# Allegro board FEE5_10_30.brd (continued)
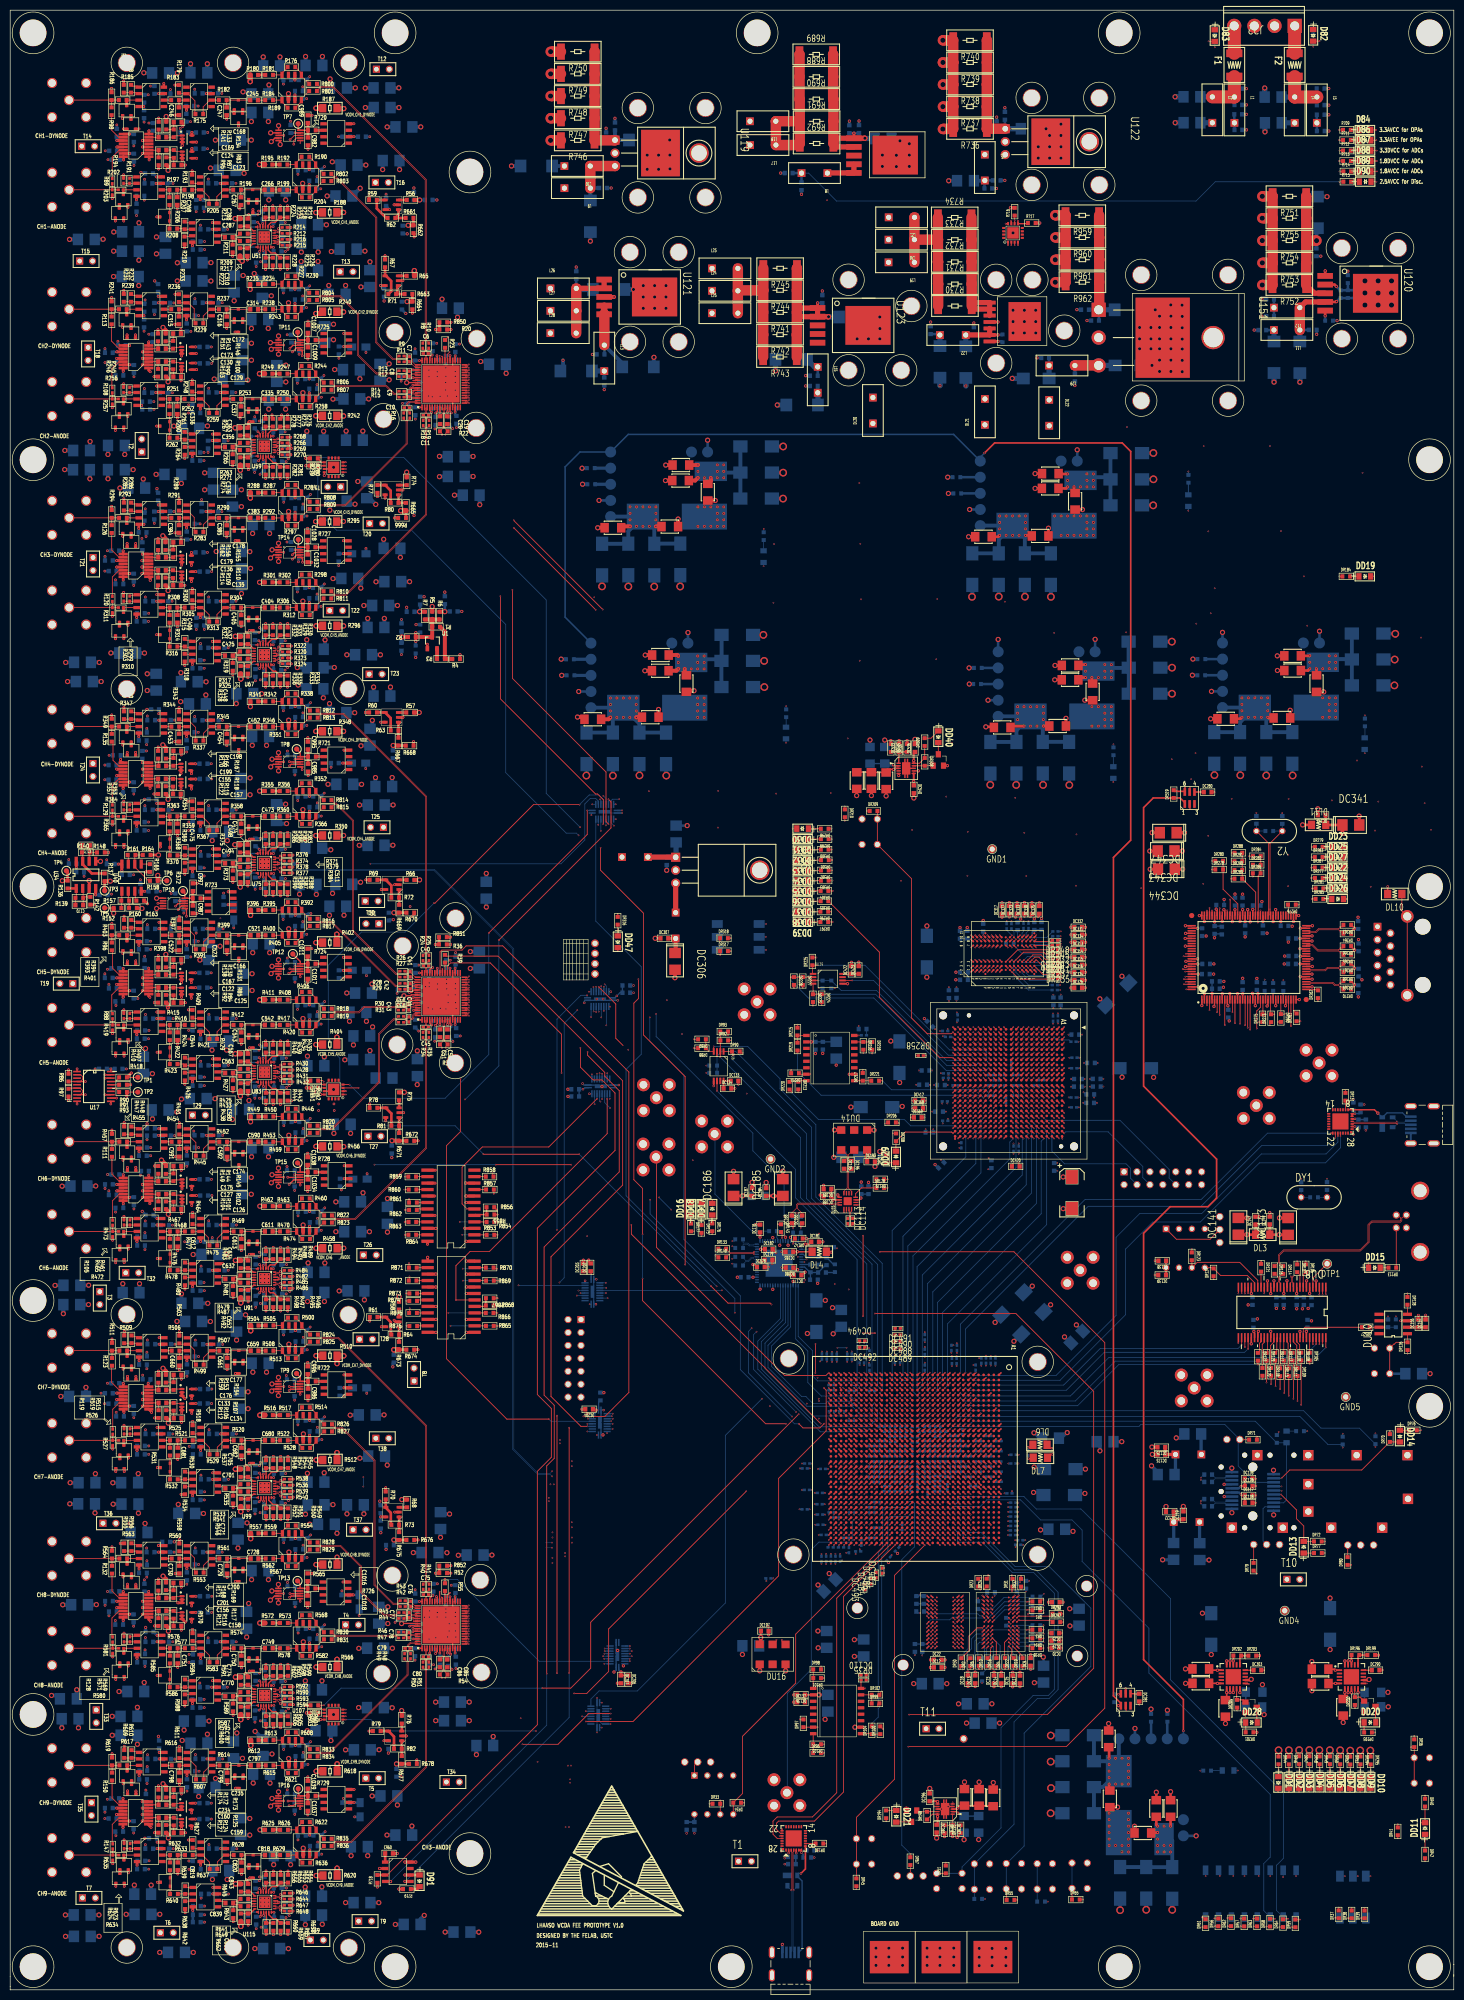
[diagram p0: board, top side]
## Routing (per net, layer and track width the routed paths; a pad name or vN(x,y) marks a point on that pad's centre or on a via; arc(x,y) is an arc through that point) (continued)
LED2_S6_FPGA: length 54.7
  TOP w0.152: DU37.AA4 v1(186.2,186.04) ; DR299.1 v1(161.38,225.96)
  S4 w0.152: v1(186.2,186.04) 185.74,185.59 181.71,185.59 175.67,191.63 175.67,211.68 v1(161.38,225.96)
LED3_A7_FPGA: length 113.5
  TOP w0.152: DU4.T9 v1(179.65,113.19) ; DR47.1 v4(253.21,47.06)
  S2 w0.152: v1(179.65,113.19) 179.65,113.18 180.19,112.65 180.19,104.12 180.34,103.97 198.49,103.97 232.68,69.78 232.68,59.93 242.79,49.82 250.44,49.82 v4(253.21,47.06)
LED3_S6_FPGA: length 51.5
  TOP w0.152: DU37.AB5 v1(185.2,185.04) ; DR300.1 v1(161.38,223.91)
  S5 w0.152: v1(161.38,223.91) 174.97,210.32 174.97,192.71 182.64,185.04 v1(185.2,185.04)
LED4_A7_FPGA: length 117.4
  TOP w0.152: v4(255.2,47.08) 255.21,47.07 DR48.1 255.21,45.86 255.21,46.44 ; DU4.T7 v1(179.65,115.19)
  S3 w0.152: v1(179.65,115.19) 180.2,114.64 180.2,104.19 180.39,104 198.46,104 233.55,68.9 233.55,60.2 244.24,49.51 252.78,49.51 v4(255.2,47.08)
LED4_S6_FPGA: length 52.5
  TOP w0.152: DR301.1 v1(161.45,221.83) ; DU37.Y5 v1(187.2,185.04)
  S5 w0.152: v1(161.45,221.83) 173.41,209.88 173.41,193.04 181.88,184.56 186.72,184.56 v1(187.2,185.04)
LED5_A7_FPGA: length 117
  TOP w0.152: v4(257.17,47.07) 257.21,47.03 DR49.1 ; DU4.R10 v1(180.65,112.19)
  S2 w0.152: v4(257.17,47.07) 252.29,51.95 242.28,51.95 234.06,60.18 234.06,69.95 203.2,100.81 203.2,103.35 201.6,104.95 198.94,104.95 198.53,104.54 181.34,104.54 181.19,104.69 181.19,111.65 v1(180.65,112.19)
LED5_S6_FPGA: length 53.7
  TOP w0.152: DR302.1 v1(161.47,219.82) ; DU37.U6 v1(190.2,184.04)
  S4 w0.152: v1(190.2,184.04) 189.73,184.51 181.7,184.51 173.71,192.49 173.71,207.58 v1(161.47,219.82)
LED6_A7_FPGA: length 120.9
  TOP w0.152: DU4.R7 v1(180.65,115.19) ; DR50.1 v4(259.24,47.06)
  S3 w0.152: v1(180.65,115.19) 180.65,115.15 181.14,114.66 181.14,104.75 181.31,104.58 198.85,104.58 199.21,104.94 200.86,104.94 234.39,71.41 234.39,60.9 243.77,51.51 254.78,51.51 v4(259.24,47.06)
LED6_S6_FPGA: length 50.1
  TOP w0.152: DU37.Y6 v1(187.2,184.04) ; DR303.1 v1(161.53,217.82)
  S4 w0.152: v1(187.2,184.04) 186.66,183.5 181.09,183.5 171.25,193.34 171.25,208.1 v1(161.53,217.82)
LED7_A7_FPGA: length 118.5
  TOP w0.152: v4(261.26,47.03) 261.26,45.83 DR52.1 ; DU4.P8 v1(181.65,114.19)
  S2 w0.152: v4(261.26,47.03) 243.85,64.44 243.85,66.8 229.26,81.39 224.51,81.39 207.1,98.79 207.1,104.27 205.77,105.6 182.28,105.6 182.13,105.75 182.13,113.71 v1(181.65,114.19)
LED7_S6_FPGA: length 51.8
  TOP w0.152: DU37.T7 v1(191.2,183.04) ; DR304.1 v1(161.58,215.79)
  S5 w0.152: v1(161.58,215.79) 171.72,205.65 171.72,193.45 181.65,183.52 190.71,183.52 v1(191.2,183.04)
LED8_A7_FPGA: length 118
  TOP w0.152: v4(263.24,46.97) 263.25,46.96 263.25,45.78 DR53.1 ; DU4.P10 v1(181.65,112.19)
  S3 w0.152: v4(263.24,46.97) 260.63,49.58 258.8,49.58 252.57,55.81 252.57,62.82 209.78,105.61 182.34,105.61 182.19,105.76 182.19,111.65 181.65,112.18 v1(181.65,112.19)
LED8_S6_FPGA: length 43
  TOP w0.152: DR305.1 170.74,203.76 170.74,194.93 182.63,183.04 v1(185.2,183.04) DU37.AB7
LED9_A7_FPGA: length 120.3
  TOP w0.152: DU4.N7 v1(182.65,115.19) ; DR294.1 265.2,45.84 v4(265.2,47)
  S3 w0.152: v4(265.2,47) 265.2,51.22 208.87,107.56 199.28,107.56 198.42,106.69 183.38,106.69 183.22,106.85 183.22,114.62 v1(182.65,115.19)
LED9_S6_FPGA: length 48.7
  TOP w0.152: DR296.1 v1(161.31,211.73) ; DU37.T8 v1(191.2,182.04)
  S5 w0.152: v1(161.31,211.73) 169.94,203.09 169.94,194.09 181.56,182.48 190.76,182.48 v1(191.2,182.04)
LED10_A7_FPGA: length 121.9
  TOP w0.152: v4(267.18,46.98) 267.18,45.85 DR295.1 ; DU4.N8 v1(182.65,114.19)
  S2 w0.152: v1(182.65,114.19) 183.25,113.58 183.25,106.84 183.41,106.69 198.01,106.69 198.89,107.57 210.11,107.57 231.12,86.56 231.12,81.44 263.9,48.66 265.5,48.66 v4(267.18,46.98)
LED10_S6_FPGA: length 44.2
  TOP w0.152: DR297.1 v1(161.57,209.69) ; DU37.Y8 v1(187.2,182.04)
  S5 w0.152: v1(187.2,182.04) 186.67,181.52 180.87,181.52 168.51,193.88 168.51,202.75 v1(161.57,209.69)
LF: length 3.4
  BOTTOM w0.254: DR173.2 158.78,142.42 DC172.1 157.19,142.42 DU13.9
LOW_THRESHOLD_CH1: length 20.8
  TOP w0.254: v5(51.29,362.92) 52.01,363.64 U128.4
  TOP w1.016: R213.2 v5(44.18,347.81)
  S5 w1.016: v5(51.29,362.92) 51.29,358.73 44.18,351.62 v5(44.18,347.81)
LOW_THRESHOLD_CH2: length 21
  TOP w0.254: U136.4 51.6,322.46 v5(51.29,322.15)
  TOP w1.016: R267.2 v5(44.15,306.73)
  S5 w1.016: v5(51.29,322.15) 50.72,321.57 50.72,316.8 44.15,310.24 v5(44.15,306.73)
LOW_THRESHOLD_CH3: length 21.1
  TOP w0.254: v5(51.15,281.16) 51.76,281.77 52.72,281.77 U142.4
  TOP w1.016: v5(44.23,265.77) 44.24,265.76 R321.2
  S5 w1.016: v5(44.23,265.77) 44.23,269.28 51.15,276.2 v5(51.15,281.16)
LOW_THRESHOLD_CH4: length 21
  TOP w0.254: v5(51.18,240.15) 51.68,240.64 U129.4
  TOP w1.016: R375.2 v5(44.14,224.86)
  S5 w1.016: v5(44.14,224.86) 44.14,228.71 51.18,235.75 v5(51.18,240.15)
LOW_THRESHOLD_CH5: length 21.3
  TOP w0.254: v5(51.25,199.56) 51.67,199.98 U137.4
  TOP w1.016: R429.2 v5(44.22,183.81)
  S5 w1.016: v5(44.22,183.81) 44.22,186.78 51.25,193.82 v5(51.25,199.56)
LOW_THRESHOLD_CH6: length 20.9
  TOP w0.254: U143.4 51.88,159.06 51.3,158.48 v5(51.29,158.48)
  TOP w1.016: R483.2 44.25,143.23 v5(44.25,143.23)
  S5 w1.016: v5(51.29,158.48) 51.29,153.7 44.25,146.65 v5(44.25,143.23)
LOW_THRESHOLD_CH7: length 20.8
  TOP w0.254: U130.4 51.78,117.97 51.39,117.58 v5(51.39,117.58)
  TOP w1.016: v5(44.23,102.25) 44.24,102.24 R537.2
  S5 w1.016: v5(44.23,102.25) 44.23,105.92 51.39,113.08 v5(51.39,117.58)
LOW_THRESHOLD_CH8: length 20.9
  TOP w0.254: v5(51.12,76.53) 51.91,77.32 U138.4
  TOP w1.016: v5(44.25,61.41) 44.25,61.41 R591.2
  S5 w1.016: v5(51.12,76.53) 51.12,71.2 44.25,64.33 v5(44.25,61.41)
LOW_THRESHOLD_CH9: length 20.9
  TOP w0.254: U144.4 51.69,36.59 v5(51.16,36.07)
  TOP w1.016: v5(44.27,20.81) 44.28,20.81 R645.2
  S5 w1.016: v5(51.16,36.07) 51.16,30.87 44.27,23.98 v5(44.27,20.81)
LVDS_ADC1_CLK: length 203.1
  TOP w0.102: C19.2 85.84,307.46 85.29,306.91 85.29,306.71 85.94,306.05 R22.1 85.89,306.03 85.49,305.63 v1(85.49,305.35)
  S3 w0.102: v1(141.86,147.01) 141.86,146.91 141.57,146.61 113.03,146.61 91.5,168.14 91.5,288.51 88.89,291.12 88.89,298.79 85.6,302.08 85.27,302.41 85.27,305.02 85.27,305.11 85.27,305.13 v1(85.49,305.35)
  BOTTOM w0.102: v1(141.86,147.01) 141.9,147.01 141.9,147.01 142.29,147.01 142.43,147.15 DR164.1
LVDS_ADC2_CLK: length 83.3
  TOP w0.102: v1(138.55,145.16) 138.98,145.16 139.12,145.3 DR133.1 ; v1(85.56,184.95) 85.56,185.23 85.94,185.61 R38.1 85.94,185.65 85.39,186.2 85.39,186.63 85.83,187.07 C50.2
  S3 w0.102: v1(138.55,145.16) 138.19,144.8 108.97,144.8 85.31,168.46 85.31,184.7 v1(85.56,184.95)
LVDS_ADC3_CLK: length 111
  TOP w0.102: v1(85.48,61.23) 85.46,61.25 85.46,61.39 85.91,61.85 R54.1 85.4,62.43 85.4,62.89 C85.2
  S1 w0.102: v1(85.48,61.23) 85.29,61.05 85.29,60.86 85.47,60.67 85.97,60.67 120.76,95.47 120.76,122.85 141.1,143.18 141.11,143.18 141.11,143.19 141.45,143.19 v1(141.83,143.57)
  BOTTOM w0.102: DR145.1 142.43,143.83 142.17,143.57 v1(141.83,143.57)
MGTAVCC: length 18.1
  TOP w0.254: DU4.F20 v1(189.65,101.32) ; DU4.F16 v1(189.65,106.19) ; DU4.F18 v1(189.65,103.32) ; DU4.H15 v1(187.65,107.19) ; DU4.F14 v1(189.65,108.19) ; DU4.H19 v1(187.65,102.32) ; DU4.H17 v1(187.65,105.19) ; DU4.H21 v1(187.65,100.32)
  TOP w0.305: v6(262.17,64.58) 262.17,64.58 DU33.20 ; DR196.1 263.47,65.71 v6(263.47,64.59) DU33.18 ; DU33.19 v6(262.82,64.6) ; DC289.1 260.11,62.95 v6(260.3,62.76) DU33.1
  BOTTOM w0.254: DC68.1 189.65,105.82 v1(189.65,106.19) ; DC76.1 189.65,107.82 v1(189.65,108.19) ; v1(187.65,107.19) 187.65,106.87 DC77.1 ; DC75.1 189.65,101.68 v1(189.65,101.32) ; v1(187.65,102.32) 187.67,102.34 DC63.1 ; v1(187.65,105.19) 187.65,104.85 DC62.1 ; DC61.1 189.65,103.71 v1(189.65,103.32) ; DC78.1 187.67,100.34 v1(187.65,100.32)
  BOTTOM w0.508: DC60.1 202.46,97.68 v5(201.03,97.68)
  BOTTOM w0.635: DC288.1 259.28,66.81 v5(259.28,66.81)
MGTAVTT: length 22.2
  TOP w0.254: DU4.B18 v1(193.65,103.32) ; DU4.B20 v1(193.65,101.32) ; DU4.D19 v1(191.65,102.32) ; DU4.B14 v1(193.65,108.19) ; DU4.D17 v1(191.65,105.19) ; DU4.B16 v1(193.65,106.19) ; DU4.D13 v1(191.65,109.19) ; DU4.D15 v1(191.65,107.19) ; DU4.D21 v1(191.65,100.32) ; DU4.B22 v1(193.65,100.19) ; DU4.F22 v1(189.65,99.32)
  TOP w0.305: v6(239.62,64.58) 239.62,64.58 DU35.19 ; DU35.20 238.97,64.58 v6(238.97,64.58) ; DU35.1 237.15,62.77 v6(237.15,62.76) 235.75,62.76 DC302.1 ; DR202.1 240.28,64.6 v6(240.27,64.59) 240.27,64.59 DU35.18
  BOTTOM w0.254: v1(191.65,105.19) 191.65,104.78 DC99.1 ; v1(193.65,108.19) 193.65,107.77 DC98.1 ; v1(191.65,102.32) 191.65,102.68 DC94.1 ; v1(193.65,101.32) 193.65,101.71 DC95.1 ; v1(193.65,100.19) 193.65,99.82 DC96.1 ; v1(189.65,99.32) 189.68,99.3 DR68.1 ; v1(191.65,109.19) 191.65,108.81 DC101.1 ; DC100.1 193.65,105.78 v1(193.65,106.19) ; DC103.1 v1(196.13,105.06) ; v1(191.65,100.32) 191.65,100.71 DC92.1 ; DC93.1 196.09,103.35 v1(196.09,103.35) ; v1(193.65,103.32) 193.65,103.68 DC97.1 ; DC102.1 191.65,106.78 v1(191.65,107.19)
  BOTTOM w0.635: v5(201.15,102.65) 202.67,102.65 DC91.1 ; v5(235.94,65.83) 235.93,65.84 DC301.1
NC1: length 0.6
  TOP w0.152: DU4.AN1 v1(161.79,121.19)
NC1_2426805: length 0.6
  TOP w0.152: DU4.H24 v1(187.65,97.32)
NC2: length 0.6
  TOP w0.152: DU4.L34 v1(184.65,87.32)
NC30: length 0.6
  TOP w0.152: DU4.T32 v1(179.65,89.32)
NC43: length 0.6
  TOP w0.152: DU4.T30 v1(179.65,91.32)
OUT0+: length 2
  BOTTOM w0.152: DR132.2 150.61,147.66 150.77,147.5 150.77,147.06 DU13.56
OUT3+: length 3.6
  BOTTOM w0.102: DR164.2 143.96,146.73 144.06,146.63 144.94,146.63 145.29,146.28 146.03,146.28 146.17,146.42 DU13.48
OUT3-: length 3.6
  BOTTOM w0.102: DU13.47 146.17,145.92 146.03,146.06 145.2,146.06 144.85,146.41 144.06,146.41 143.96,146.31 DR170.2
OUT4+: length 6.6
  TOP w0.102: 146.02,144.79 v1(146.15,144.92) 146.01,144.78 141.37,144.78 DR133.2
  BOTTOM w0.102: v1(146.15,144.92) 146.16,144.92 DU13.45
OUT4-: length 6.4
  TOP w0.102: DR140.2 141.39,144.57 146.01,144.57 v1(146.16,144.42)
  BOTTOM w0.102: DU13.44 v1(146.16,144.42)
OUT5+: length 3.5
  BOTTOM w0.102: DR145.2 143.96,143.73 144.5,143.19 144.93,143.19 145.52,143.78 146.03,143.78 146.17,143.92 DU13.43
OUT5-: length 3.5
  BOTTOM w0.102: DU13.42 146.17,143.42 146.03,143.56 145.61,143.56 145.02,142.97 144.46,142.97 143.96,142.47 DR151.2
PB_C: length 98.5
  TOP w0.152: DSW9.1 208.58,17.73 DR65.1 ; DU4.L29 v1(184.65,92.32)
  S4 w0.152: DSW9.2 202.69,30.8 202.69,50.7 211.4,59.41 211.4,76.03 204.63,82.8 200.09,82.8 191.11,91.78 185.2,91.78 v1(184.65,92.32)
  BOTTOM w0.152: DSW9.2 DSW9.1
PB_E: length 91.4
  TOP w0.152: DU4.G31 v1(188.65,90.32)
  S4 w0.152: v1(188.65,90.32) 188.68,90.32 189.24,90.88 190.4,90.88 199.13,82.14 204.33,82.14 210.82,75.65 210.82,60.5 201.75,51.43 DSW5.2
  BOTTOM w0.152: DSW5.2 DSW5.1 201.75,17.32 DR54.1
PB_N: length 95.9
  TOP w0.152: DSW6.1 195.74,19.74 DR55.1 ; DU4.H31 v1(187.65,90.32)
  BOTTOM w0.152: v1(187.65,90.32) 187.66,90.32 188.18,89.8 190.73,89.8 197.42,83.1 204.14,83.1 212.29,74.95 212.29,63.52 199.18,50.41 199.18,28.25 195.74,24.81 DSW6.2 DSW6.1
PB_S: length 93.7
  TOP w0.152: DU4.J31 v1(186.65,90.32)
  BOTTOM w0.152: DR60.1 189.4,17.86 DSW8.1 DSW8.2 197.2,32.53 197.2,52.62 201.79,57.21 204.09,57.21 205.85,58.97 205.85,78.07 201.45,82.47 197.25,82.47 190.92,88.8 187.4,88.8 187.19,89.01 187.19,89.79 v1(186.65,90.32)
PB_W: length 97.3
  TOP w0.152: DSW4.1 183.79,22.87 DR51.1 ; DU4.K31 v1(185.65,90.32)
  BOTTOM w0.152: DSW4.1 DSW4.2 186.99,24.14 194.65,31.8 194.65,51.49 200.94,57.79 203.92,57.79 205.11,58.98 205.11,77.87 201.02,81.96 196.85,81.96 190.91,87.89 186.3,87.89 186.13,88.06 186.13,89.8 185.65,90.28 v1(185.65,90.32)
PDWN_ADC1: length 173
  TOP w0.152: U2.41 84.39,319.95 v9(84.39,320.91)
  S1 w0.152: v9(84.39,320.91) 84.39,320.92 85.43,321.96 91.54,321.96 106.5,307.01 106.5,195.18 120.13,181.55 120.13,175.76 118.79,174.43 v1(115.95,174.43)
  BOTTOM w0.152: DU17.16 115.78,174.6 v1(115.95,174.43)
PDWN_ADC1_BUF: length 117.2
  TOP w0.152: DU4.AA24 v1(173.79,97.32)
  S2 w0.152: v1(115.28,179.9) 115.71,179.47 115.71,177.6 115.71,177.6 115.71,177.14 115.71,177.14 115.71,174.76 115.42,174.48 115.42,147.2 158.68,103.94 173.14,103.94 173.29,103.79 173.29,97.82 v1(173.79,97.32)
  BOTTOM w0.152: DU17.4 v1(115.28,179.9)
PDWN_ADC2: length 127.6
  TOP w0.152: v1(112.6,112.6) 116.84,112.6 121.53,117.29 121.53,180.22 96.75,205 89.58,205 88.75,204.16 84.79,204.16 84.44,203.82 84.44,199.72 U3.41
  BOTTOM w0.152: DU20.18 114.33,112.6 v1(112.6,112.6)
PDWN_ADC2_BUF: length 75.8
  TOP w0.152: DU4.W29 v1(175.79,92.32)
  S5 w0.152: v1(175.79,92.32) 175.34,92.77 175.34,106.47 175.19,106.63 152.95,106.63 149.18,110.4 121.1,110.4 v1(118.36,113.14)
  BOTTOM w0.152: DU20.2 v1(118.36,113.14)
PDWN_ADC3: length 43.4
  TOP w0.254: U4.41 84.35,76.31 84.35,78.2 v9(84.37,78.21)
  S3 w0.152: v1(116.77,66.51) 90.77,66.51 88.75,68.53 88.75,73.86 84.4,78.21 v9(84.37,78.21)
  BOTTOM w0.152: v1(116.77,66.51) 117.84,66.51 DU24.7
PDWN_ADC3_BUF: length 65.7
  TOP w0.152: DU4.Y32 v1(174.79,89.32)
  S5 w0.152: v1(121.7,67.01) 121.93,67.01 129.14,74.22 159.34,74.22 172.31,87.19 172.31,89.57 172.56,89.82 174.29,89.82 v1(174.79,89.32)
  BOTTOM w0.152: DU24.13 v1(121.7,67.01)
PHY_AVDD0: length 17.3
  TOP w0.254: DU41.104 v6(233.24,208.45) ; DU41.52 v6(253.46,202.95) ; v6(253.43,198.95) 253.43,198.95 DU41.44 ; DU41.64 v6(255.8,208.95) ; DU41.59 253.39,206.45 v6(253.38,206.46) ; DU41.49 253.41,201.45 v6(253.4,201.46)
  TOP w0.508: DC342.1 258.43,230.65 DL11.1 258.45,228.73 DC341.1
  TOP w0.635: v5(261.71,227.06) 261.71,227.07 DC341.1
  BOTTOM w0.254: v6(253.46,202.95) 252.7,202.95 DC356.2 ; DC357.2 234.13,208.45 v6(233.24,208.45) ; DC360.2 252.62,206.46 v6(253.38,206.46) ; v6(253.4,201.46) 252.58,201.46 DC365.2
PHY_COL: length 32
  TOP w0.152: DU37.A2 v1(207.06,188.04) ; DU41.114 v1(230.96,203.45)
  S4 w0.152: v1(207.06,188.04) 210.92,188.04 226.33,203.45 v1(230.96,203.45)
PHY_COMA: length 3
  TOP w0.152: DU41.37 252.1,192.31 DR261.2
PHY_CONFIG0: length 12
  TOP w0.152: DR280.2 DR278.2 238.26,216.12 241.16,213.22 241.16,211.01 DU41.88
PHY_CONFIG4: length 13.5
  TOP w0.152: DR288.2 242.03,221.58 DR291.2 242.03,219.88 DR290.2 242.02,218.19 DR289.2 244.67,215.52 244.67,211.03 DU41.81
PHY_CONFIG5: length 13.4
  TOP w0.152: v1(245.11,209.59) 245.1,209.6 DU41.80 245.16,211.01 245.16,218.75 DR286.2 245.66,219.25 DR282.2 DR284.2
  BOTTOM w0.152: 245.1,209.49 245.1,209.58 v1(245.11,209.59)
PHY_CRS: length 32.2
  TOP w0.152: DU37.A3 v1(207.06,187.04) ; DU41.115 v1(230.49,202.95)
  S5 w0.152: v1(230.49,202.95) 226.79,202.95 210.88,187.04 v1(207.06,187.04)
PHY_INT: length 61.4
  TOP w0.152: DU41.32 249.61,194.44 DR260.1 v1(250.35,191.59) ; DU37.D19 v1(204.06,170.18)
  S4 w0.152: v1(204.06,170.18) 204.47,169.76 231.38,169.76 250.35,188.73 v1(250.35,191.59)
PHY_LED_DUPLEX: length 33
  TOP w0.152: DR289.1 v1(239.82,218.18) ; v1(237.59,212.37) 237.6,212.37 DU41.95 237.59,210.95 ; DD22.2 262.54,218.32 v1(262.54,218.32)
  S5 w0.152: v1(262.54,218.32) 261.7,219.16 240.81,219.16 v1(239.82,218.18) 237.59,215.95 v1(237.59,212.37)
PHY_LED_LINK10: length 38.5
  TOP w0.152: DR284.1 v1(243.39,222.6) ; v1(235.1,211.92) 235.1,211.92 235.1,210.96 DU41.100 ; DD23.2 262.53,224.42 v1(262.54,224.42)
  S5 w0.152: v1(262.54,224.42) 261.74,223.62 244.4,223.62 v1(243.39,222.6) 239.84,222.6 235.1,217.87 235.1,211.93 v1(235.1,211.92)
PHY_LED_LINK100: length 35.6
  TOP w0.152: DU41.99 v1(235.6,212.43) ; DD25.2 261.87,222.4 v1(262.52,222.4)
  S5 w0.152: v1(235.6,212.43) 235.6,216.46 240.92,221.79 261.9,221.79 v1(262.52,222.4)
PHY_LED_LINK1000: length 35.3
  TOP w0.152: v1(236.09,211.94) 236.09,211.94 236.09,210.95 DU41.98 ; DD27.2 v1(262.72,220.35) ; DR290.1 240.14,219.52 v1(239.93,219.52)
  S5 w0.152: v1(236.09,211.94) 236.09,215.68 v1(239.93,219.52) 241.28,220.87 262.19,220.87 v1(262.72,220.35)
PHY_LED_RX: length 29.2
  TOP w0.152: DU41.92 239.08,210.97 v1(239.08,211.96) ; v1(262.56,214.19) 262.55,214.2 DD26.2 ; DU41.79 245.6,211.93 v1(245.61,211.95)
  S5 w0.152: v1(262.56,214.19) 261.49,215.25 248.92,215.25 v1(245.61,211.95) 244.12,213.43 240.55,213.43 v1(239.08,211.96)
PHY_LED_TX: length 29.7
  TOP w0.152: DU41.91 239.65,211.01 239.65,214.09 v1(239.63,214.11) ; DD24.2 262.55,216.27 v1(262.57,216.29)
  S5 w0.152: v1(239.63,214.11) 239.63,216.22 240.65,217.24 261.62,217.24 v1(262.57,216.29)
PHY_MDC: length 62.3
  TOP w0.152: v1(251.08,190.42) 251.1,190.43 DU41.35 ; DU37.G16 v1(201.06,173.18)
  S5 w0.152: v1(251.08,190.42) 251.08,189.58 235.22,173.72 201.6,173.72 v1(201.06,173.18)
PHY_MDIO: length 64
  TOP w0.152: DU41.33 v1(250.1,195.46) ; DU37.H14 v1(200.06,175.18)
  S5 w0.152: v1(250.1,195.46) 249.62,194.99 249.62,189.42 235.88,175.68 200.56,175.68 v1(200.06,175.18)
  BOTTOM w0.152: DR259.1 250.1,196.15 v1(250.1,195.46)
PHY_MDIP0_N: length 29
  TOP w0.102: DR269.2 261.9,198.02 261.61,197.73 261.39,197.73 261.35,197.76 v1(261.33,197.76) 260.98,197.41 260.28,197.41 259.87,197.82 255.48,197.82 255.34,197.95 DU41.42
  S2 w0.102: DU42.2 267.07,207.48 266.37,206.78 261.09,206.78 260.23,205.92 260.23,197.86 260.68,197.41 260.98,197.41 v1(261.33,197.76)
PHY_MDIP0_P: length 29.1
  TOP w0.102: DU41.41 255.32,197.45 255.47,197.6 259.78,197.6 260.19,197.19 260.98,197.19 v1(261.33,196.84) 261.35,196.84 261.57,196.84 261.9,196.51 DR270.2
  S2 w0.102: v1(261.33,196.84) 260.98,197.19 260.59,197.19 260.02,197.77 260.02,206 261,206.99 266.28,206.99 266.98,207.7 269.2,207.7 269.3,207.8 269.3,208.05 DU42.1
PHY_MDIP1_N: length 26.3
  TOP w0.102: DU41.47 255.31,200.45 255.45,200.31 258.27,200.31 258.72,200.76 260.99,200.76 v1(261.33,201.11) 261.64,201.11 261.9,201.36 DR267.2
  S5 w0.102: DU42.6 271.31,202.57 271.31,202.72 269.19,204.84 268.15,204.84 266.05,202.74 259.31,202.74 259.21,202.63 259.21,200.87 259.31,200.76 260.99,200.76 v1(261.33,201.11)
PHY_MDIP1_P: length 26.3
  TOP w0.102: DR268.2 261.9,199.94 261.63,200.21 261.34,200.21 v1(261.33,200.21) 260.99,200.55 258.81,200.55 258.36,200.09 255.43,200.09 255.29,199.95 DU41.46
  S5 w0.102: DU42.3 269.46,206.21 269.83,205.84 269.83,205.33 269.55,205.05 268.06,205.05 265.96,202.95 259.22,202.95 258.99,202.72 258.99,200.78 259.22,200.55 260.99,200.55 v1(261.33,200.21)
PHY_MDIP2_N: length 20.5
  TOP w0.102: DR266.2 261.9,204.65 261.8,204.55 261.33,204.55 v1(261.33,204.55) 260.99,204.21 260.94,204.21 260.91,204.21 256.92,204.21 255.82,205.31 254.7,205.31 254.6,205.41 DU41.57
  S4 w0.102: DU42.5 269.27,204.34 269.57,204.34 269.91,204 269.91,203.23 269.19,202.51 264.25,202.51 262.55,204.21 261.77,204.21 261.67,204.21 v1(261.33,204.55)
PHY_MDIP2_P: length 20.6
  TOP w0.102: DU41.56 254.6,204.99 254.7,205.09 255.73,205.09 256.83,203.99 260.89,203.99 260.99,203.99 v1(261.33,203.65) 261.33,203.65 261.8,203.65 261.9,203.55 DR265.2
  S4 w0.102: DU42.4 271.05,204.94 270.13,204.02 270.13,203.14 269.28,202.3 264.16,202.3 262.46,204 261.77,204 261.67,203.99 v1(261.33,203.65)
PHY_MDIP3_N: length 24
  TOP w0.102: DR263.2 261.9,208.81 261.8,208.71 v1(261.33,208.71) 260.98,208.36 256.98,208.36 256.42,207.81 255.2,207.81 255.06,207.95 DU41.62
  S1 w0.102: v1(261.33,208.71) 261.68,208.36 262.41,208.36 263.52,207.25 266.08,207.25 266.79,206.54 266.79,203.07 267.37,202.48 269.29,202.48 270.13,201.64 270.13,200.87 DU42.8
PHY_MDIP3_P: length 23.9
  TOP w0.102: DU41.61 255.05,207.45 255.19,207.59 256.51,207.59 257.07,208.15 260.98,208.15 v1(261.33,207.79) 261.79,207.79 261.9,207.69 DR264.2
  S1 w0.102: v1(261.33,207.79) 261.68,208.14 262.32,208.14 263.43,207.03 265.99,207.03 266.57,206.45 266.57,202.98 267.28,202.27 269.2,202.27 269.92,201.55 269.92,200.92 269.54,200.54 269.19,200.54 DU42.7
PHY_RESET: length 58.7
  TOP w0.152: v1(251.6,189.25) 251.6,189.26 DU41.36 ; DU37.A20 v1(207.06,169.18)
  S2 w0.152: v1(251.6,189.25) 231.53,169.18 v1(207.06,169.18)
PHY_RSET: length 2.4
  TOP w0.152: DR262.2 256.76,196.38 254.66,196.38 DU41.39
PHY_RXCLK: length 44.2
  TOP w0.152: v1(237.1,191.95) 237.1,191.95 DU41.7 ; DU37.G9 v1(201.06,181.04)
  S5 w0.152: 237.1,191.91 v1(237.1,191.95) 225.59,180.44 201.65,180.44 v1(201.06,181.04)
PHY_RXCTL_RXDV: length 41.4
  TOP w0.152: DU37.F9 v1(202.06,181.04) ; DU41.4 v1(235.6,192.37)
  S4 w0.152: v1(235.6,192.37) 226.79,192.37 214.89,180.47 202.63,180.47 v1(202.06,181.04)
PHY_RXD0: length 40.6
  TOP w0.152: DU41.3 v1(235.1,193.31) ; DU37.F8 v1(202.06,182.04)
  S5 w0.152: v1(235.1,193.31) 234.28,194.13 227.16,194.13 214.53,181.5 202.6,181.5 v1(202.06,182.04)
PHY_RXD1: length 36.6
  TOP w0.152: DU37.F7 v1(202.06,183.04) ; DU41.128 v1(231.04,196.45)
  S4 w0.152: v1(231.04,196.45) 228.17,196.45 214.26,182.53 202.57,182.53 v1(202.06,183.04)
PHY_RXD2: length 35.6
  TOP w0.152: DU41.126 v1(230.57,197.45) ; DU37.E6 v1(203.06,184.04)
  S5 w0.152: v1(230.57,197.45) 227.84,197.45 213.97,183.58 203.52,183.58 v1(203.06,184.04)
PHY_RXD3: length 33.6
  TOP w0.152: DU41.125 v1(230.92,197.95) ; DU37.C5 v1(205.06,185.04)
  S4 w0.152: v1(205.06,185.04) 205.78,184.31 213.56,184.31 227.2,197.95 v1(230.92,197.95)
PHY_RXD4: length 31.2
  TOP w0.152: DU41.124 v1(230.56,198.45) ; DU37.A5 v1(207.06,185.04)
  S5 w0.152: v1(230.56,198.45) 226.66,198.45 213.25,185.04 v1(207.06,185.04)
PHY_RXD5: length 33.4
  TOP w0.152: DU41.123 v1(230.86,198.95) ; DU37.C4 v1(205.06,186.04)
  S4 w0.152: v1(205.06,186.04) 205.57,185.53 212.83,185.53 226.25,198.95 v1(230.86,198.95)
PHY_RXD6: length 31.7
  TOP w0.152: DU37.A4 v1(207.06,186.04) ; DU41.121 v1(230.83,199.95)
  S5 w0.152: v1(230.83,199.95) 226.08,199.95 211.86,185.73 207.36,185.73 v1(207.06,186.04)
PHY_RXD7: length 32.6
  TOP w0.152: v1(230.33,200.45) 230.38,200.4 232.05,200.4 DU41.120 ; DU37.B3 v1(206.06,187.04)
  S4 w0.152: v1(206.06,187.04) 206.53,186.57 211.53,186.57 225.41,200.45 v1(230.33,200.45)
PHY_RXER: length 44.3
  TOP w0.152: DU37.F10 v1(202.06,180.04) ; DU41.8 237.6,191.45 v1(237.59,191.44)
  S4 w0.152: v1(202.06,180.04) 202.58,179.52 215.61,179.52 227.53,191.44 v1(237.59,191.44)
PHY_TXC_GTXCLK: length 51.4
  TOP w0.152: DU37.H13 v1(200.06,176.18) ; DU41.14 240.6,189.81 v1(240.58,189.8)
  S2 w0.152: v1(200.06,176.18) 200.55,176.66 227.44,176.66 v1(240.58,189.8)
PHY_TXCLK: length 49.2
  TOP w0.152: DU37.H12 v1(200.06,177.18) ; DU41.10 238.6,189.51 238.59,189.51 v1(238.59,189.43)
  S5 w0.152: v1(238.59,189.43) 227.17,178.01 200.89,178.01 v1(200.06,177.18)
PHY_TXCTL_TXEN: length 51.5
  TOP w0.152: DU37.G13 v1(201.06,176.18) ; DU41.16 v1(241.6,189.72)
  S5 w0.152: v1(241.6,189.72) 228.63,176.75 201.64,176.75 v1(201.06,176.18)
PHY_TXD0: length 52.1
  TOP w0.152: DU37.F14 v1(202.06,175.18) ; DU41.18 242.6,189.41 v1(242.6,189.41)
  S4 w0.152: v1(202.06,175.18) 202.61,175.72 228.92,175.72 v1(242.6,189.41)
PHY_TXD1: length 53.3
  TOP w0.152: v1(243.09,188.93) 243.09,194.45 DU41.19 ; DU37.F15 v1(202.06,174.18)
  S2 w0.152: v1(243.09,188.93) 228.87,174.7 202.58,174.7 v1(202.06,174.18)
PHY_TXD2: length 53.4
  TOP w0.152: DU41.20 243.57,194.43 v1(243.57,188.55) ; DU37.E16 v1(203.06,173.18)
  S4 w0.152: v1(203.06,173.18) 203.61,173.73 228.76,173.73 v1(243.57,188.55)
PHY_TXD3: length 54.3
  TOP w0.152: DU37.D17 v1(204.06,172.18) ; v1(244.87,188.76) 244.87,188.76 244.88,188.77 244.88,192.22 245.6,192.93 DU41.24
  S2 w0.152: v1(204.06,172.18) 204.67,172.79 228.91,172.79 v1(244.87,188.76)
  S4 w0.152: v1(244.87,188.76) 244.87,188.76
PHY_TXD4: length 55.9
  TOP w0.152: v1(246.63,191.55) DR275.2 246.1,191.64 DU41.25 ; DU37.C17 v1(205.06,172.18)
  S2 w0.152: v1(205.06,172.18) 205.57,171.66 229.69,171.66 246.63,188.61 v1(246.63,191.55)
PHY_TXD5: length 55.4
  TOP w0.152: DU41.26 v1(246.6,195.41) ; DU37.A17 v1(207.06,172.18)
  S4 w0.152: v1(246.6,195.41) 245.97,194.79 245.97,188.2 229.95,172.18 v1(207.06,172.18)
  BOTTOM w0.152: DR274.2 246.6,196 v1(246.6,195.41)
PHY_TXD6: length 56.3
  TOP w0.152: DU37.A19 v1(207.06,170.18) ; DU41.28 247.6,191.64 DR273.2 v1(248.33,191.55)
  S2 w0.152: v1(207.06,170.18) 230.32,170.18 248.33,188.19 v1(248.33,191.55)
PHY_TXD7: length 61.3
  TOP w0.152: DU37.C19 v1(205.06,170.18) ; DU41.29 v1(248.1,195.37)
  S4 w0.152: v1(248.1,195.37) 249.46,194 249.46,189.33 230.9,170.77 205.65,170.77 v1(205.06,170.18)
  BOTTOM w0.152: v1(248.1,195.37) DR272.2
PHY_TXER: length 48.1
  TOP w0.152: DU37.G11 v1(201.06,179.04) ; v1(240.1,191.99) 240.1,192.04 240.1,192.05 240.1,194.45 DU41.13
  S4 w0.152: v1(240.1,191.99) 226.36,178.24 201.85,178.24 v1(201.06,179.04)
PULSE_ANODE_CH1: length 3.4
  TOP w0.152: R95.2 29.16,361.25 C124.2 29.13,361.23 U18.3
PULSE_ANODE_CH2: length 3.3
  TOP w0.152: R103.2 29.04,319.71 C130.1 27.24,319.74 U22.3
PULSE_ANODE_CH3: length 3.3
  TOP w0.152: R114.2 C136.1 27.23,278.74 U28.3
PULSE_ANODE_CH4: length 3.3
  TOP w0.152: U30.3 C155.1 29.07,237.77 R122.2
PULSE_ANODE_CH5: length 3.3
  TOP w0.152: R92.2 29.09,196.79 C122.1 29.1,196.8 U14.3
PULSE_ANODE_CH6: length 3.3
  TOP w0.152: U23.3 27.24,156.25 C127.1 29.13,154.84 R104.2
PULSE_ANODE_CH7: length 3.4
  TOP w0.152: U26.3 27.24,115.26 C133.1 29.14,115.25 R112.2
PULSE_ANODE_CH8: length 3.4
  TOP w0.152: R121.2 29.16,73.02 C156.1 27.25,74.44 U31.3
PULSE_ANODE_CH9: length 3.4
  TOP w0.152: U36.3 27.21,33.8 C160.1 29.16,32.39 R127.2